# KiCad board shek-rounded.kicad_pcb
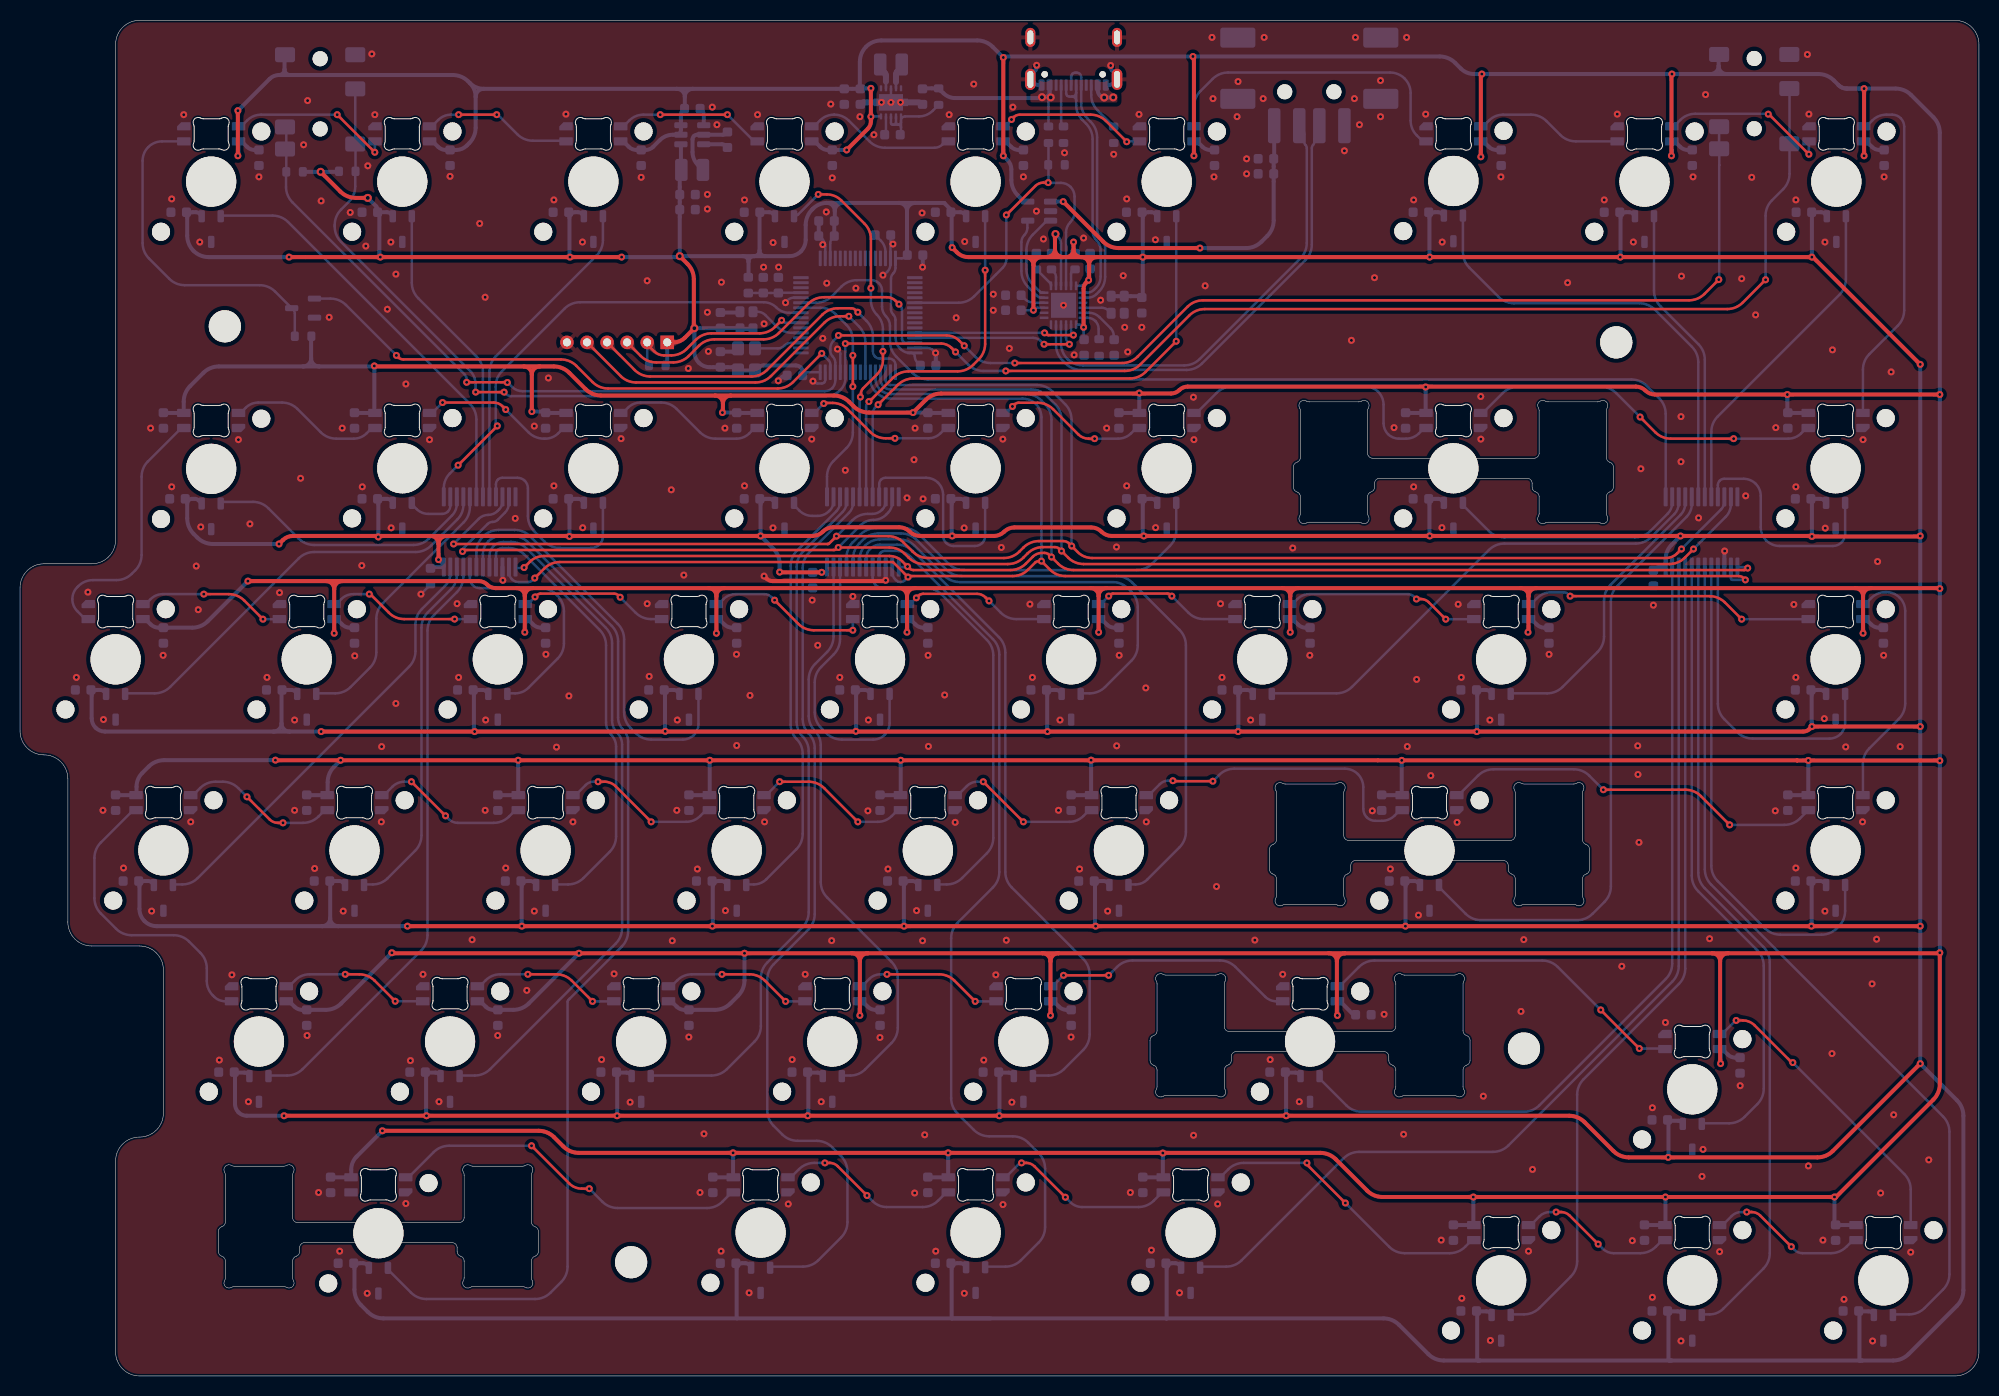
[diagram p0: board, top side]
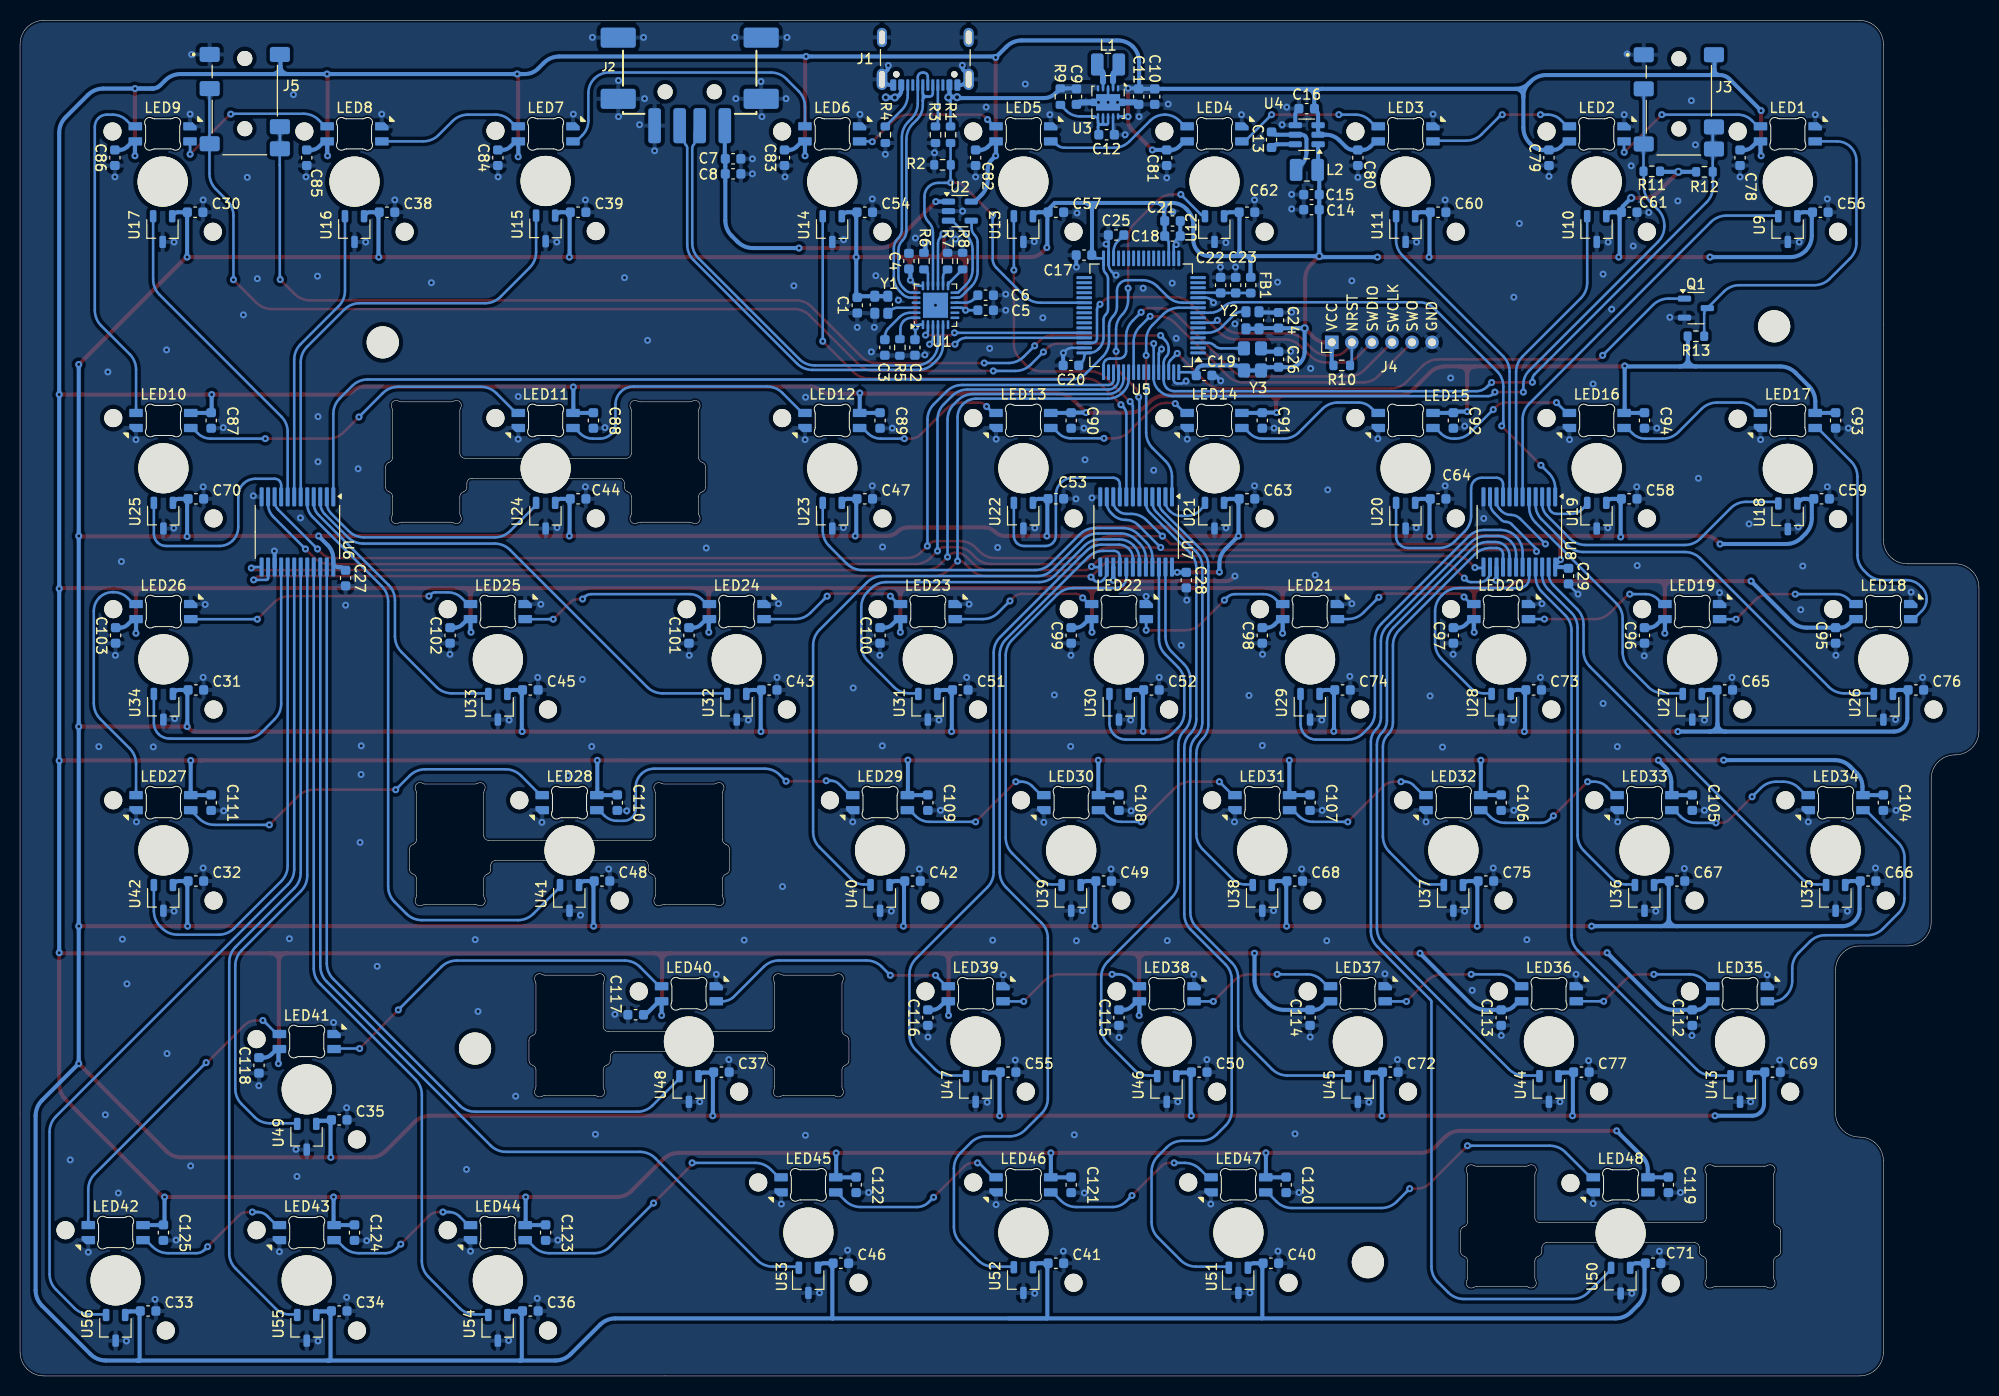
[diagram p1: board, bottom side, seen from below]

Outline 195.26 x 135.14 mm; copper layers: Top, Bottom. Coordinates in mm from the lower left corner of the outline.
Outline path: 195.26,26.19 195.26,2.38 arc(194.57,0.7) 192.88,0 11.91,0 arc(10.22,0.7) 9.52,2.38 9.52,21.43 arc(10.22,23.12) 11.91,23.81 arc(13.59,24.51) 14.29,26.19 14.29,40.48 arc(13.59,42.17) 11.91,42.86 7.14,42.86 arc(5.46,43.56) 4.76,45.24 4.76,59.53 arc(4.07,61.22) 2.38,61.91 arc(0.7,62.61) 0,64.29 0,78.58 arc(0.7,80.27) 2.38,80.96 7.14,80.96 arc(8.83,81.66) 9.52,83.34 9.52,104.78 9.53,132.75 arc(10.22,134.44) 11.91,135.14 192.88,135.14 arc(194.57,134.44) 195.26,132.75 195.26,26.19

## Placement (name value [footprint] x y rotation side)
C1  0.1uF  [C_0603_1608Metric]  111.81 106.74 90 bottom
C2  0.1uF  [C_0603_1608Metric]  106.06 102.53 270 bottom
C3  0.1uF  [C_0603_1608Metric]  109.06 102.53 270 bottom
C4  0.1uF  [C_0603_1608Metric]  106.66 111.14 90 bottom
C5  1uF  [C_0603_1608Metric]  99.01 106.24 180 bottom
C6  1uF  [C_0603_1608Metric]  99.01 107.74 180 bottom
C7  1uF  [C_0603_1608Metric]  124.19 121.34 180 bottom
C8  0.1uF  [C_0603_1608Metric]  124.19 119.84 180 bottom
C9  10uF  [C_0603_1608Metric]  89.96 127.54 270 bottom
C10  10uF  [C_0603_1608Metric]  82.16 127.54 270 bottom
C11  10uF  [C_0603_1608Metric]  83.76 127.54 270 bottom
C12  0.1uF  [C_0603_1608Metric]  86.96 123.74 180 bottom
C13  0.1uF  [C_0603_1608Metric]  70.51 123.24 270 bottom
C14  22uF  [C_0603_1608Metric]  66.53 116.27 0 bottom
C15  22uF  [C_0603_1608Metric]  66.53 117.77 0 bottom
C16  10uF  [C_0603_1608Metric]  67.01 126.34 0 bottom
C17  0.1uF  [C_0603_1608Metric]  89.21 111.74 0 bottom
C18  0.1uF  [C_0603_1608Metric]  80.39 113.64 180 bottom
C19  0.1uF  [C_0603_1608Metric]  77.24 99.74 180 bottom
C20  0.1uF  [C_0603_1608Metric]  90.51 100.74 0 bottom
C21  4.7uF  [C_0603_1608Metric]  80.39 115.14 180 bottom
C22  0.1uF  [C_0603_1608Metric]  75.59 108.74 90 bottom
C23  1uF  [C_0603_1608Metric]  74.09 108.74 90 bottom
C24  0.1uF  [C_0603_1608Metric]  69.81 105.24 270 bottom
C25  4.7uF <1R  [C_0603_1608Metric]  86.01 113.74 0 bottom
C26  0.1uF  [C_0603_1608Metric]  69.81 101.34 270 bottom
C27  0.1uF  [C_0603_1608Metric]  162.81 79.54 270 bottom
C28  0.1uF  [C_0603_1608Metric]  79.01 79.34 270 bottom
C29  0.1uF  [C_0603_1608Metric]  40.91 79.74 270 bottom
C30  0.1uF  [C_0603_1608Metric]  177.81 116.01 180 bottom
C31  0.1uF  [C_0603_1608Metric]  177.74 68.39 180 bottom
C32  0.1uF  [C_0603_1608Metric]  177.74 49.34 180 bottom
C33  0.1uF  [C_0603_1608Metric]  182.5 6.48 180 bottom
C34  0.1uF  [C_0603_1608Metric]  163.45 6.48 180 bottom
C35  0.1uF  [C_0603_1608Metric]  163.45 25.53 180 bottom
C36  0.1uF  [C_0603_1608Metric]  144.4 6.48 180 bottom
C37  0.1uF  [C_0603_1608Metric]  125.35 30.29 180 bottom
C38  0.1uF  [C_0603_1608Metric]  158.69 116.01 180 bottom
C39  0.1uF  [C_0603_1608Metric]  139.64 116.01 180 bottom
C40  0.1uF  [C_0603_1608Metric]  70.58 11.24 180 bottom
C41  0.1uF  [C_0603_1608Metric]  92.01 11.24 180 bottom
C42  0.1uF  [C_0603_1608Metric]  106.3 49.34 180 bottom
C43  0.1uF  [C_0603_1608Metric]  120.59 68.39 180 bottom
C44  0.1uF  [C_0603_1608Metric]  139.64 87.44 180 bottom
C45  0.1uF  [C_0603_1608Metric]  144.4 68.39 180 bottom
C46  0.1uF  [C_0603_1608Metric]  113.44 11.24 180 bottom
C47  0.1uF  [C_0603_1608Metric]  111.06 87.44 180 bottom
C48  0.1uF  [C_0603_1608Metric]  137.26 49.34 180 bottom
C49  0.1uF  [C_0603_1608Metric]  87.25 49.34 180 bottom
C50  0.1uF  [C_0603_1608Metric]  77.72 30.29 180 bottom
C51  0.1uF  [C_0603_1608Metric]  101.54 68.39 180 bottom
C52  0.1uF  [C_0603_1608Metric]  82.49 68.39 180 bottom
C53  0.1uF  [C_0603_1608Metric]  92.01 87.45 180 bottom
C54  0.1uF  [C_0603_1608Metric]  111.06 116.01 180 bottom
C55  0.1uF  [C_0603_1608Metric]  96.77 30.29 180 bottom
C56  0.1uF  [C_0603_1608Metric]  15.81 116.01 180 bottom
C57  0.1uF  [C_0603_1608Metric]  92.01 116.01 180 bottom
C58  0.1uF  [C_0603_1608Metric]  34.86 87.44 180 bottom
C59  0.1uF  [C_0603_1608Metric]  15.69 87.44 180 bottom
C60  0.1uF  [C_0603_1608Metric]  53.91 116.01 180 bottom
C61  0.1uF  [C_0603_1608Metric]  34.86 116.01 180 bottom
C62  0.1uF  [C_0603_1608Metric]  72.96 116.01 180 bottom
C63  0.1uF  [C_0603_1608Metric]  72.96 87.44 180 bottom
C64  0.1uF  [C_0603_1608Metric]  53.91 87.44 180 bottom
C65  0.1uF  [C_0603_1608Metric]  25.34 68.39 180 bottom
C66  0.1uF  [C_0603_1608Metric]  11.05 49.34 180 bottom
C67  0.1uF  [C_0603_1608Metric]  30.1 49.34 180 bottom
C68  0.1uF  [C_0603_1608Metric]  68.2 49.34 180 bottom
C69  0.1uF  [C_0603_1608Metric]  20.57 30.29 180 bottom
C70  0.1uF  [C_0603_1608Metric]  177.74 87.44 180 bottom
C71  0.1uF  [C_0603_1608Metric]  32.48 11.24 180 bottom
C72  0.1uF  [C_0603_1608Metric]  58.67 30.29 180 bottom
C73  0.1uF  [C_0603_1608Metric]  44.39 68.39 180 bottom
C74  0.1uF  [C_0603_1608Metric]  63.44 68.39 180 bottom
C75  0.1uF  [C_0603_1608Metric]  49.15 49.34 180 bottom
C76  0.1uF  [C_0603_1608Metric]  6.29 68.39 180 bottom
C77  0.1uF  [C_0603_1608Metric]  39.62 30.29 180 bottom
C78  0.1uF  [C_0603_1608Metric]  23.81 121.44 90 bottom
C79  0.1uF  [C_0603_1608Metric]  42.86 121.44 90 bottom
C80  0.1uF  [C_0603_1608Metric]  61.91 121.44 90 bottom
C81  0.1uF  [C_0603_1608Metric]  80.96 121.44 90 bottom
C82  0.1uF  [C_0603_1608Metric]  100.01 121.44 90 bottom
C83  0.1uF  [C_0603_1608Metric]  119.06 121.44 90 bottom
C84  0.1uF  [C_0603_1608Metric]  147.64 121.44 90 bottom
C85  0.1uF  [C_0603_1608Metric]  166.69 121.44 90 bottom
C86  0.1uF  [C_0603_1608Metric]  185.81 121.44 90 bottom
C87  0.1uF  [C_0603_1608Metric]  176.21 95.25 90 bottom
C88  0.1uF  [C_0603_1608Metric]  138.11 95.25 90 bottom
C89  0.1uF  [C_0603_1608Metric]  109.54 95.25 90 bottom
C90  0.1uF  [C_0603_1608Metric]  90.49 95.25 90 bottom
C91  0.1uF  [C_0603_1608Metric]  71.44 95.25 90 bottom
C92  0.1uF  [C_0603_1608Metric]  52.39 95.25 90 bottom
C93  0.1uF  [C_0603_1608Metric]  14.29 95.25 90 bottom
C94  0.1uF  [C_0603_1608Metric]  33.34 95.25 90 bottom
C95  0.1uF  [C_0603_1608Metric]  14.29 73.82 90 bottom
C96  0.1uF  [C_0603_1608Metric]  33.34 73.82 90 bottom
C97  0.1uF  [C_0603_1608Metric]  52.39 73.82 90 bottom
C98  0.1uF  [C_0603_1608Metric]  71.44 73.82 90 bottom
C99  0.1uF  [C_0603_1608Metric]  90.49 73.82 90 bottom
C100  0.1uF  [C_0603_1608Metric]  109.54 73.82 90 bottom
C101  0.1uF  [C_0603_1608Metric]  128.59 73.82 90 bottom
C102  0.1uF  [C_0603_1608Metric]  152.4 73.82 90 bottom
C103  0.1uF  [C_0603_1608Metric]  185.74 73.82 90 bottom
C104  0.1uF  [C_0603_1608Metric]  9.52 57.15 90 bottom
C105  0.1uF  [C_0603_1608Metric]  28.58 57.15 90 bottom
C106  0.1uF  [C_0603_1608Metric]  47.62 57.15 90 bottom
C107  0.1uF  [C_0603_1608Metric]  66.67 57.15 90 bottom
C108  0.1uF  [C_0603_1608Metric]  85.72 57.15 90 bottom
C109  0.1uF  [C_0603_1608Metric]  104.77 57.15 90 bottom
C110  0.1uF  [C_0603_1608Metric]  135.73 57.15 90 bottom
C111  0.1uF  [C_0603_1608Metric]  176.21 57.15 90 bottom
C112  0.1uF  [C_0603_1608Metric]  28.58 35.72 90 bottom
C113  0.1uF  [C_0603_1608Metric]  47.62 35.72 90 bottom
C114  0.1uF  [C_0603_1608Metric]  66.67 35.72 90 bottom
C115  0.1uF  [C_0603_1608Metric]  85.72 35.72 90 bottom
C116  0.1uF  [C_0603_1608Metric]  104.77 35.72 90 bottom
C117  0.1uF  [C_0603_1608Metric]  133.9 36.01 180 bottom
C118  0.1uF  [C_0603_1608Metric]  171.45 30.96 90 bottom
C119  0.1uF  [C_0603_1608Metric]  30.96 19.05 90 bottom
C120  0.1uF  [C_0603_1608Metric]  69.06 19.05 90 bottom
C121  0.1uF  [C_0603_1608Metric]  90.49 19.05 90 bottom
C122  0.1uF  [C_0603_1608Metric]  111.92 19.05 90 bottom
C123  0.1uF  [C_0603_1608Metric]  142.88 14.29 90 bottom
C124  0.1uF  [C_0603_1608Metric]  161.93 14.29 90 bottom
C125  0.1uF  [C_0603_1608Metric]  180.98 14.29 90 bottom
FB1  FBead  [L_0603_1608Metric]  72.59 108.74 90 bottom
H1  MountingHole  [MountingHole_3.2mm_M3]  149.91 32.64 0 top
H2  MountingHole  [MountingHole_3.2mm_M3]  159.11 103.04 0 top
H3  MountingHole  [MountingHole_3.2mm_M3]  20.41 104.64 0 top
H4  MountingHole  [MountingHole_3.2mm_M3]  60.91 11.34 0 top
J1  12402012E212A  [AMPHENOL_12402012E212A]  105.03 133.44 0 bottom
J2  -  [629104190121]  128.51 130.92 0 bottom
J3  54-00177  [TENSILITY_54-00177]  29.91 127.81 0 bottom
J4  Conn_01x06_Pin  [PinHeader_1x06_P2.00mm_Horizontal]  64.51 103.04 90 bottom
J5  54-00177  [TENSILITY_54-00177]  172.86 127.84 0 bottom
L1  2.2uH  [L_1008_2520Metric]  86.81 130.74 0 bottom
L2  1uH  [L_1008_2520Metric]  66.99 120.23 180 bottom
LED1  choc_SK6812MINI-E  [LED_choc_6028R]  19.05 123.83 180 bottom
LED2  choc_SK6812MINI-E  [LED_choc_6028R]  38.1 123.83 180 bottom
LED3  choc_SK6812MINI-E  [LED_choc_6028R]  57.15 123.83 180 bottom
LED4  choc_SK6812MINI-E  [LED_choc_6028R]  76.2 123.83 180 bottom
LED5  choc_SK6812MINI-E  [LED_choc_6028R]  95.25 123.83 180 bottom
LED6  choc_SK6812MINI-E  [LED_choc_6028R]  114.3 123.83 180 bottom
LED7  choc_SK6812MINI-E  [LED_choc_6028R]  142.88 123.83 180 bottom
LED8  choc_SK6812MINI-E  [LED_choc_6028R]  161.93 123.83 180 bottom
LED9  choc_SK6812MINI-E  [LED_choc_6028R]  181.05 123.83 180 bottom
LED10  choc_SK6812MINI-E  [LED_choc_6028R]  180.98 95.25 0 bottom
LED11  choc_SK6812MINI-E  [LED_choc_6028R]  142.88 95.25 0 bottom
LED12  choc_SK6812MINI-E  [LED_choc_6028R]  114.3 95.25 0 bottom
LED13  choc_SK6812MINI-E  [LED_choc_6028R]  95.25 95.25 0 bottom
LED14  choc_SK6812MINI-E  [LED_choc_6028R]  76.2 95.25 0 bottom
LED15  choc_SK6812MINI-E  [LED_choc_6028R]  57.15 95.25 0 bottom
LED16  choc_SK6812MINI-E  [LED_choc_6028R]  38.1 95.25 0 bottom
LED17  choc_SK6812MINI-E  [LED_choc_6028R]  19.05 95.25 0 bottom
LED18  choc_SK6812MINI-E  [LED_choc_6028R]  9.52 76.2 180 bottom
LED19  choc_SK6812MINI-E  [LED_choc_6028R]  28.58 76.2 180 bottom
LED20  choc_SK6812MINI-E  [LED_choc_6028R]  47.62 76.2 180 bottom
LED21  choc_SK6812MINI-E  [LED_choc_6028R]  66.67 76.2 180 bottom
LED22  choc_SK6812MINI-E  [LED_choc_6028R]  85.72 76.2 180 bottom
LED23  choc_SK6812MINI-E  [LED_choc_6028R]  104.77 76.2 180 bottom
LED24  choc_SK6812MINI-E  [LED_choc_6028R]  123.83 76.2 180 bottom
LED25  choc_SK6812MINI-E  [LED_choc_6028R]  147.64 76.2 180 bottom
LED26  choc_SK6812MINI-E  [LED_choc_6028R]  180.98 76.2 180 bottom
LED27  choc_SK6812MINI-E  [LED_choc_6028R]  180.98 57.15 0 bottom
LED28  choc_SK6812MINI-E  [LED_choc_6028R]  140.49 57.15 0 bottom
LED29  choc_SK6812MINI-E  [LED_choc_6028R]  109.54 57.15 0 bottom
LED30  choc_SK6812MINI-E  [LED_choc_6028R]  90.49 57.15 0 bottom
LED31  choc_SK6812MINI-E  [LED_choc_6028R]  71.44 57.15 0 bottom
LED32  choc_SK6812MINI-E  [LED_choc_6028R]  52.39 57.15 0 bottom
LED33  choc_SK6812MINI-E  [LED_choc_6028R]  33.34 57.15 0 bottom
LED34  choc_SK6812MINI-E  [LED_choc_6028R]  14.29 57.15 0 bottom
LED35  choc_SK6812MINI-E  [LED_choc_6028R]  23.81 38.1 180 bottom
LED36  choc_SK6812MINI-E  [LED_choc_6028R]  42.86 38.1 180 bottom
LED37  choc_SK6812MINI-E  [LED_choc_6028R]  61.91 38.1 180 bottom
LED38  choc_SK6812MINI-E  [LED_choc_6028R]  80.96 38.1 180 bottom
LED39  choc_SK6812MINI-E  [LED_choc_6028R]  100.01 38.1 180 bottom
LED40  choc_SK6812MINI-E  [LED_choc_6028R]  128.59 38.1 180 bottom
LED41  choc_SK6812MINI-E  [LED_choc_6028R]  166.69 33.34 180 bottom
LED42  choc_SK6812MINI-E  [LED_choc_6028R]  185.74 14.29 0 bottom
LED43  choc_SK6812MINI-E  [LED_choc_6028R]  166.69 14.29 0 bottom
LED44  choc_SK6812MINI-E  [LED_choc_6028R]  147.64 14.29 0 bottom
LED45  choc_SK6812MINI-E  [LED_choc_6028R]  116.68 19.05 0 bottom
LED46  choc_SK6812MINI-E  [LED_choc_6028R]  95.25 19.05 0 bottom
LED47  choc_SK6812MINI-E  [LED_choc_6028R]  73.82 19.05 0 bottom
LED48  choc_SK6812MINI-E  [LED_choc_6028R]  35.72 19.05 0 bottom
Q1  NTR4003NT1G  [SOT-23-3]  28.21 106.45 180 bottom
R1  100k  [R_0603_1608Metric]  102.51 123.74 270 bottom
R2  100k  [R_0603_1608Metric]  103.31 120.74 180 bottom
R3  5K1  [R_0603_1608Metric]  104.01 123.74 270 bottom
R4  5K1  [R_0603_1608Metric]  109.01 123.74 270 bottom
R5  12k  [R_0603_1608Metric]  107.56 102.53 270 bottom
R6  100k  [R_0603_1608Metric]  105.16 111.14 270 bottom
R7  100k  [R_0603_1608Metric]  102.81 111.14 90 bottom
R8  100k  [R_0603_1608Metric]  101.31 111.14 90 bottom
R9  100R  [R_0603_1608Metric]  91.56 127.54 90 bottom
R10  12k  [R_0603_1608Metric]  63.51 100.74 0 bottom
R11  4K7  [R_0603_1608Metric]  32.61 120.09 180 bottom
R12  4K7  [R_0603_1608Metric]  27.36 120.04 0 bottom
R13  12k  [R_0603_1608Metric]  28.21 103.65 0 bottom
S1  choc_stab  [Stabilizers_Plate-Mounted_2U]  142.88 90.49 0 top
S2  choc_stab  [Stabilizers_Plate-Mounted_2U]  140.49 52.39 0 top
S3  choc_stab  [Stabilizers_Plate-Mounted_2U]  128.59 33.34 0 top
S4  choc_stab  [Stabilizers_Plate-Mounted_2U]  35.72 14.29 0 top
U1  USB2422T/MJ  [HVQFN-24-1EP_4x4mm_P0.5mm_EP2.5x2.5mm]  104.01 106.74 90 bottom
U2  AP22814AW5  [SOT-23-5]  101.58 116.12 180 bottom
U3  TPS63002  [Texas_DRC0010J]  86.81 126.96 270 bottom
U4  AP63203WU  [TSOT-23-6]  67.01 123.74 0 bottom
U5  STM32F446RETx  [LQFP-64_10x10mm_P0.5mm]  83.51 105.74 0 bottom
U6  CD74HC4067SM  [SSOP-24_5.3x8.2mm_P0.65mm]  167.61 84.14 270 bottom
U7  CD74HC4067SM  [SSOP-24_5.3x8.2mm_P0.65mm]  84.01 84.14 270 bottom
U8  CD74HC4067SM  [SSOP-24_5.3x8.2mm_P0.65mm]  45.81 84.14 270 bottom
U9  AH49ENTR-G1  [SOT-23-3_ChocV2-1U]  19.05 119.06 0 top
U10  AH49ENTR-G1  [SOT-23-3_ChocV2-1U]  38.1 119.06 0 top
U11  AH49ENTR-G1  [SOT-23-3_ChocV2-1U]  57.15 119.06 0 top
U12  AH49ENTR-G1  [SOT-23-3_ChocV2-1U]  76.2 119.06 0 top
U13  AH49ENTR-G1  [SOT-23-3_ChocV2-1U]  95.25 119.06 0 top
U14  AH49ENTR-G1  [SOT-23-3_ChocV2-1U]  114.3 119.06 0 top
U15  AH49ENTR-G1  [SOT-23-3_ChocV2-1U]  142.88 119.13 0 top
U16  AH49ENTR-G1  [SOT-23-3_ChocV2-1U]  161.93 119.06 0 top
U17  AH49ENTR-G1  [SOT-23-3_ChocV2-1U]  181.05 119.06 0 top
U18  AH49ENTR-G1  [SOT-23-3_ChocV2-1U]  19.05 90.43 0 top
U19  AH49ENTR-G1  [SOT-23-3_ChocV2-1U]  38.1 90.49 0 top
U20  AH49ENTR-G1  [SOT-23-3_ChocV2-1U]  57.15 90.49 0 top
U21  AH49ENTR-G1  [SOT-23-3_ChocV2-1U]  76.2 90.49 0 top
U22  AH49ENTR-G1  [SOT-23-3_ChocV2-1U]  95.25 90.49 0 top